# Altium PCB Fastino-DIOT.PCBDOC (part 22 of 22)
Units mm, origin at the board's own origin, x right, y up, seen from the top; angles counter-clockwise.
Board outline 222.63 x 100.1 mm, 8 copper layers (L1, L2, L3, P4, L5, L6, P7, L8), stack 1.563 mm thick; 1030 components, 787 nets, 3312 pads, 2498 vias.
Unrouted connection lines stored in the file: 424.
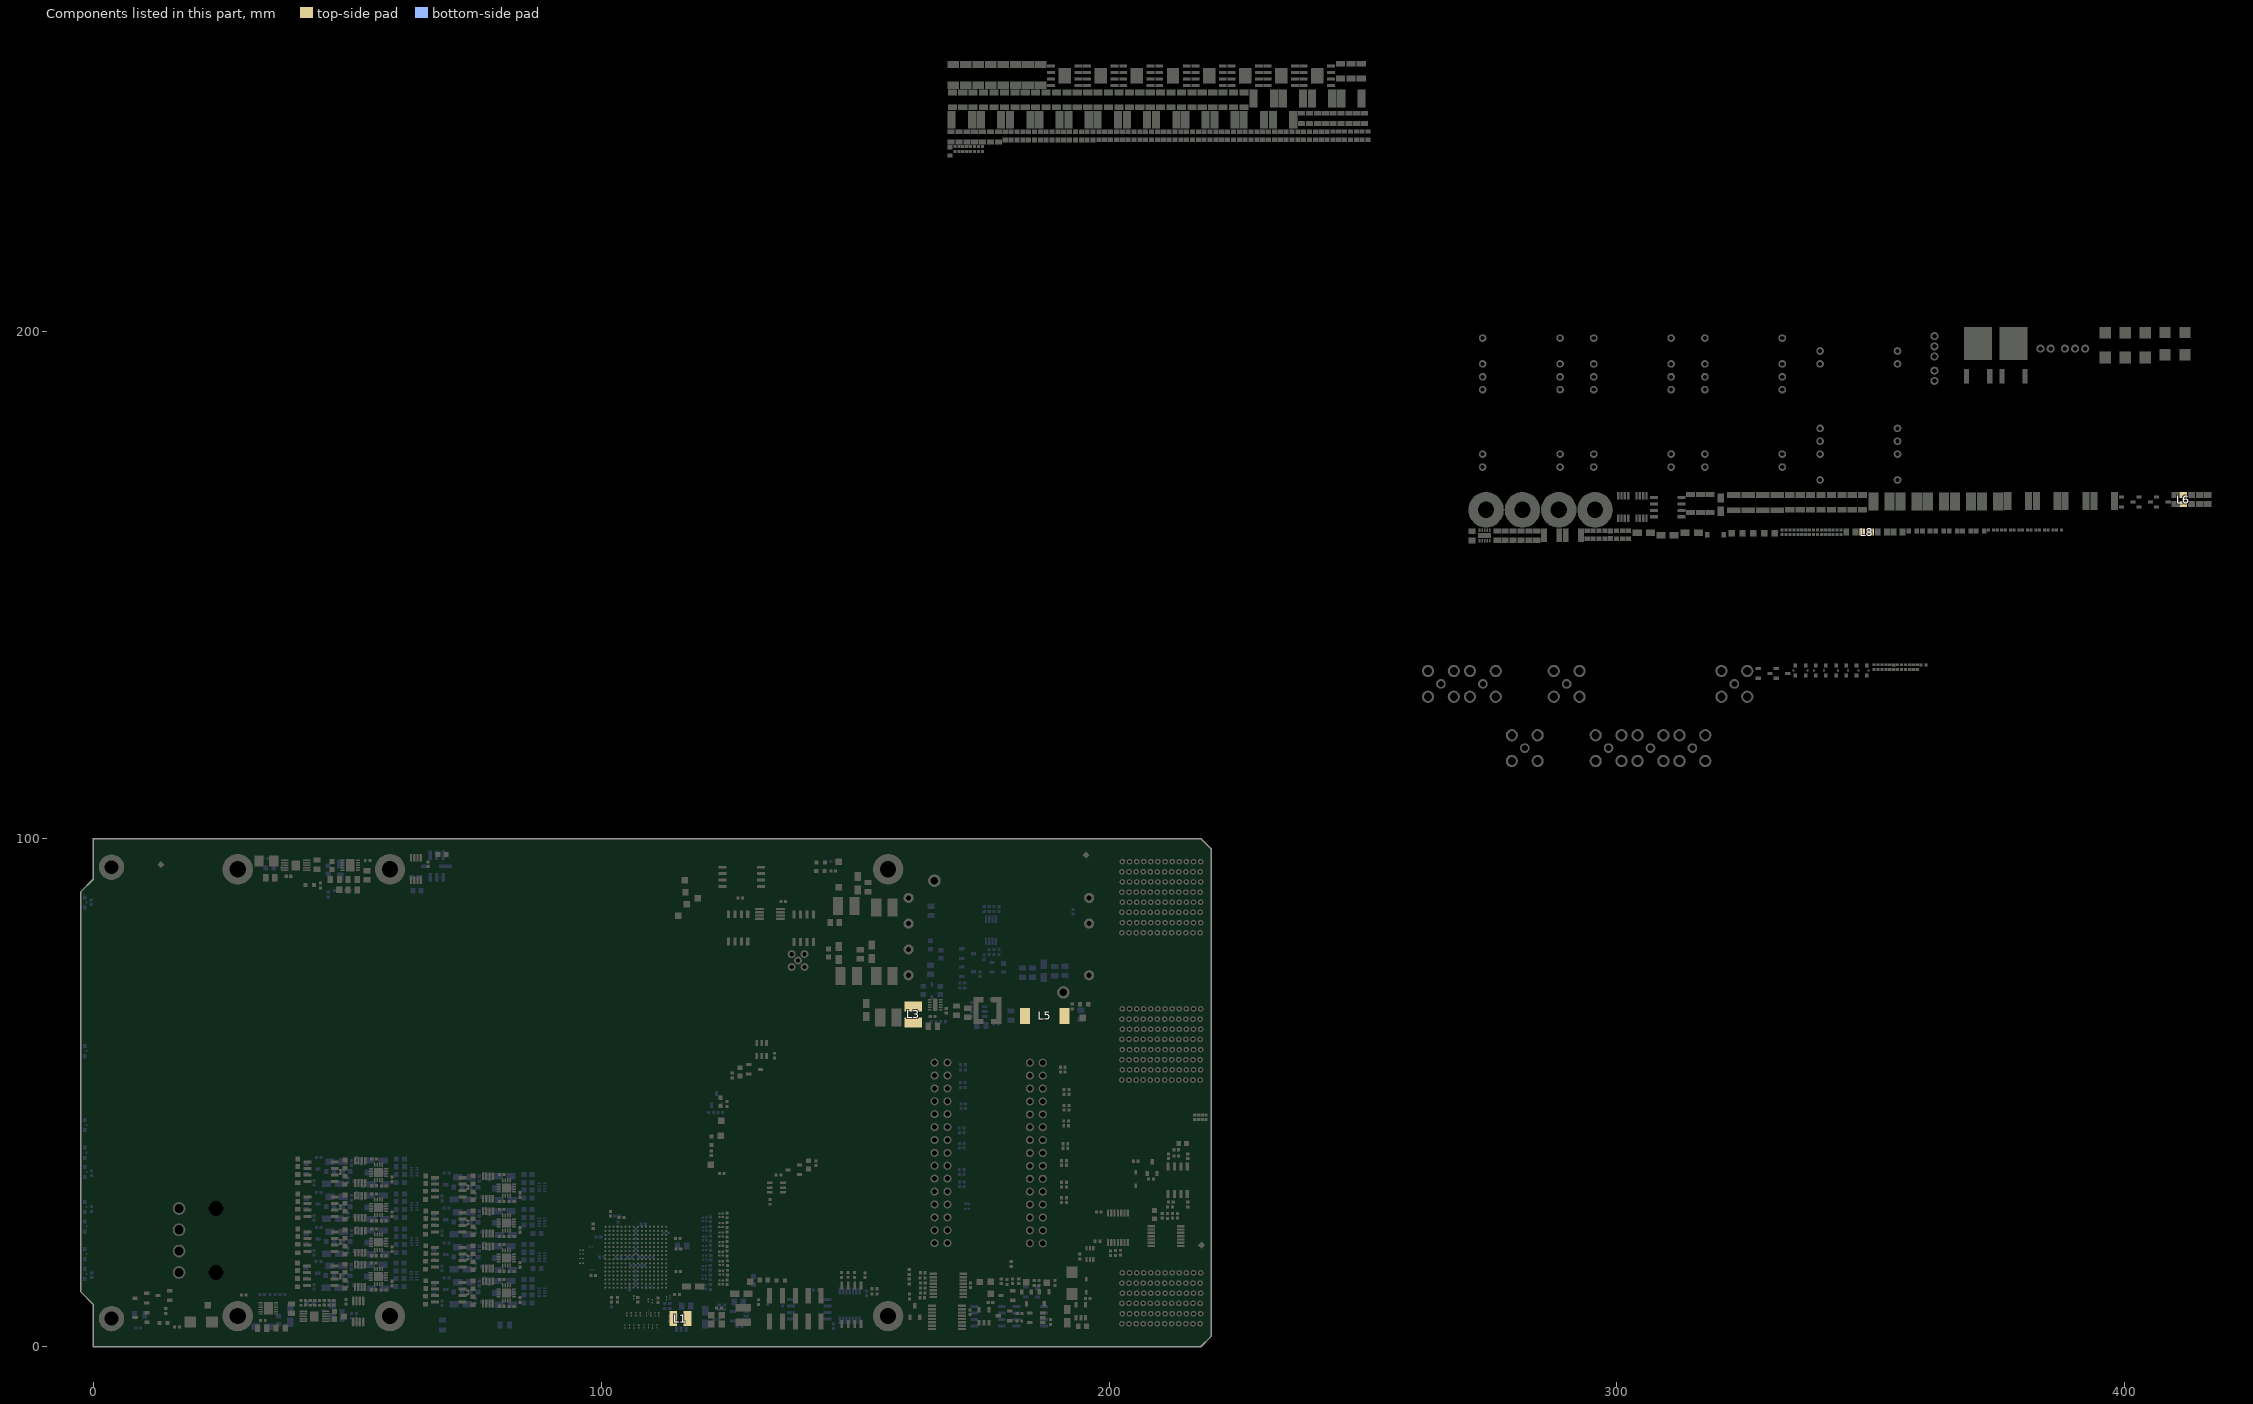
[diagram p28: the components of this part, seen from the top]

## Via types
v1: diameter 0.4, hole 0.2, L1 to L8, tented both sides, 1919 vias
v2: diameter 0.5, hole 0.2, L1 to L8, tented both sides, 270 vias
v3: diameter 0.4, hole 0.2, L1 to L8, 170 vias
v4: diameter 0.7, hole 0.4, L1 to L8, tented both sides, 110 vias
v5: diameter 0.7, hole 0.4, L1 to L8, 29 vias

## Nets (pads, with @x,y where several pads share a name; then routed paths per layer and width w, separated by ;. In a path a pad name is that pad's centre, name@x,y a point inside that pad or via, vN(x,y) a via of type N, cw(c..) or ccw(c..) an arc to the next point about the centre after c; other vN are vias at no path point) (continued)
copper on no net: (continued)
  L8 w0.381: 71.585,95.682 72.019,96.116 72.667,96.116 72.842,96.291 v1(72.847,96.291) ; 71.806,95.606 71.936,95.606 72.294,95.247 72.294,95.117 72.757,94.655 72.757,93.935 72.885,93.806 ; 91.123,94.336 91.222,94.236 91.222,93.847 91.364,93.706 v1(91.364,93.701) ; 100.127,96.025 101.006,96.025 101.08,96.099 101.08,96.438 101.416,96.775 106.143,96.775 106.893,96.025
  L8 w0.508: v1(52.426,10.109) 52.449,10.085 52.449,9.494 52.495,9.449 52.495,8.685 52.898,8.281 52.918,8.281 52.954,8.245 52.954,8.225
  other v1: 101.83,32.052 75.955,37.412 101.83,38.938 50.804,40.485 75.955,44.299 101.83,45.825 50.83,47.417 75.955,51.185 101.83,52.712 50.83,54.304 75.955,58.072 101.83,59.598 50.83,61.191 75.955,64.958 101.83,66.485 50.83,68.077 75.955,71.828 101.83,73.371 50.83,74.964 75.955,78.714 101.83,80.258 50.83,81.85 75.955,85.601 101.83,87.145 75.754,94.321
  other v3: 107.835,32.112 106.525,33.412 107.85,33.392 81.96,37.472 80.65,38.772 81.975,38.752 107.835,38.998 107.85,40.278 106.525,40.298 56.809,40.545 55.499,41.845 56.824,41.825 81.96,44.358 81.975,45.638 80.65,45.658 107.835,45.885 107.85,47.165 106.525,47.185 56.835,47.477 55.525,48.777 56.85,48.757 81.96,51.245 81.975,52.525 80.65,52.545 107.835,52.771 107.85,54.051 106.525,54.071 56.835,54.364 55.525,55.664 56.85,55.644 81.96,58.132 81.975,59.412 80.65,59.432 107.835,59.658 107.85,60.938 106.525,60.958 56.835,61.25 56.85,62.53 55.525,62.55 81.96,65.018 81.975,66.298 80.65,66.318 107.835,66.545 107.85,67.825 106.525,67.845 56.835,68.137 56.85,69.417 55.525,69.437 81.96,71.887 80.65,73.187 81.975,73.167 107.835,73.431 107.85,74.711 106.525,74.731 56.835,75.024 56.85,76.304 55.525,76.324 81.96,78.774 81.975,80.054 80.65,80.074 107.835,80.318 106.525,81.618 107.85,81.598 56.835,81.91 56.85,83.19 55.525,83.21 81.96,85.661 81.975,86.941 80.65,86.961 107.835,87.204 106.525,88.504 107.85,88.484 97.2,94.15 78.305,94.317 79.176,94.308 79.432,95.633 78.314,95.644 97.2,95.7

## Polygon pours and split planes (outlines as drawn)
GND on L8 "NONET_L-01_P-001" (solid, remove dead copper, pour order 148): 10.871,8.56 3.734,8.56 1.004,11.112 0.787,89.536 3.251,97.993 179.942,98.037 180.12,66.09 169.037,66.09 169.037,62.205 179.502,62.205 179.502,2.616 11.125,2.616
GND on L8 "NONET_L-01_P-001" (solid, pour order 134): 177.14,98.095 218.618,98.095 219.786,96.926 219.786,2.616 179.146,2.616 179.146,14.699 178.859,14.986 167.335,14.986 167.335,15.077 165.312,17.1 165.43,17.218 165.43,21.082 166.192,21.844 172.974,21.844 179.146,28.016 179.146,68.097 181.026,69.977 196.139,69.977 198.171,72.009 198.171,74.016 197.282,74.905 194.539,74.905 193.827,75.616 193.827,77.318 192.71,78.435 182.651,78.435 180.823,76.606 179.146,76.606 179.146,78.232 177.038,80.34 177.038,98.069
CHASSIS on L8 "esd1" (solid, remove dead copper, pour order 122): 0.25,7.798 7.375,7.798 7.375,2.55 40,2.55 40,1.05 0.25,1.05
P3V3_buck on L8 "NONET_L-01_P-001" (solid, remove dead copper, pour order 52): 169.866,65.727 173.616,65.727 174.866,64.477 174.866,62.477 170.116,62.477 169.366,63.227 169.366,65.227
GND on L8 "NONET_L-01_P-001" (solid, remove dead copper, pour order 68): 181.254,74.026 192.91,74.026 193.424,74.541 193.412,74.552 193.412,76.969 192.185,78.196 183.234,78.196 181.254,76.217
P12V0F on L8 "NONET_L-01_P-001" (solid, remove dead copper, pour order 70): 194.283,73.703 195.121,74.541 197.158,74.541 197.811,73.888 197.811,72.388 195.924,70.5 181.228,70.5 180.34,71.388 180.34,72.695 181.348,73.703
P1V2 on L8 "NONET_L-01_P-001" (solid, remove dead copper, pour order 120): 116.652,6.788 117.498,5.941 117.498,4.967 121.217,4.967 122,5.75 122,9.208 117.401,9.208 116.652,8.458
STRIP2 on L8 "esd1" (solid, remove dead copper, pour order 125): 82.933,1 100,1 100,2.269 45,2.269 45,1
STRIP3 on L8 "STRIP3_L08_P126" (solid, remove dead copper, pour order 126): 217.533,1 217.55,1 218.79,2.24 120,2.24 120,1
GND on L5 "NONET_L-01_P-001" (solid, pour order 146): 163.398,99.085 163.398,93.32 159.029,88.951 159.029,65.862 162.154,62.738 163.474,62.738 163.474,66.929 165.633,69.088 193.853,69.088 194,68.941 194,58 145.63,58 142.164,54.534 142.164,23.8 149.758,16.205 149.758,6.807 147.041,4.089 129.661,4.089 129.032,4.718 129.032,7.315 128.806,7.542 122.028,7.542 121.641,7.154 121.641,5.156 120.599,4.115 117.653,4.115 115.545,6.223 113.182,6.223 110.655,3.696 110.655,0.394 114.338,0.394 114.376,0.356 218.059,0.356 220.142,2.438 219.71,2.87 219.71,97.384 218.008,99.085
GND on L5 "NONET_L-01_P-001" (solid, remove dead copper, pour order 145): 155.143,99.073 155.143,82.245 154.788,81.89 153.619,81.89 153.264,81.534 153.264,74.625 151.333,72.695 142.926,72.695 126.416,89.205 109.753,89.205 108.331,90.627 79.4,90.627 73.863,85.09 72.441,86.512 46.05,86.512 44.679,87.884 23.52,87.884 21.692,89.713 21.692,92.685 21.336,93.04 19.99,93.04 19.126,93.904 19.126,100.076 19.177,100.127 19.075,100.228 0.127,100.228 0.127,92.1 -2.286,89.687 -2.286,10.973 0.051,8.636 0.051,0.864 0.61,0.305 100.127,0.305 100.813,0.991 100.686,1.118 100.686,22.606 101.625,23.546 101.651,23.52 112.674,23.52 112.674,21.387 116.221,17.84 118.558,17.84 121.006,15.392 121.564,15.392 121.564,7.214 142.062,7.214 144.247,9.398 144.247,12.852 132.436,24.663 132.436,48.362 127.635,53.162 127.635,60.681 130.048,63.094 157.632,63.094 158.521,63.983 158.064,64.44 158.064,90.052 163.753,95.741 163.652,95.842 163.652,99.022
P13V0 on L5 "NONET_L-01_P-001" (solid, remove dead copper, pour order 44): 22.132,94.5 23.661,94.5 24.363,93.798 24.363,92 25.363,91 30.907,91 33.1,93.193 128.306,93.193 139.749,81.75 153.137,81.75 153.137,74.794 151.342,73 143.541,73 127.032,89.51 65.43,89.51 63.257,87.336 45.98,87.336 45.209,88.109 24.319,88.109 22.132,90.295
P3V3_buck on L5 "NONET_L-01_P-001" (solid, remove dead copper, pour order 42): 142.25,6.75 144.75,9.25 144.75,13 133,24.75 133,48.5 128.25,53.25 128.25,60.5 130.25,62.5 163.75,62.5 163.75,66.5 166,68.75 193.5,68.75 193.5,58.25 145.25,58.25 141.75,54.75 141.75,23.75 149.5,16 149.5,7 146.75,4.25 129.5,4.25 129,4.75 129,6.25 129.5,6.75
P1V2 on L5 "tgr" (solid, remove dead copper, pour order 96): 117.126,20.652 121.31,16.467 121.31,5.407 120.235,4.332 117.743,4.332 115.598,6.477 114.655,6.477 112.893,8.239 112.893,10.119 111.608,11.405 111.608,11.989 110.947,12.649 110.134,12.649 107.315,9.83 103.354,9.83 102.823,9.298 102.753,9.367 101.838,9.367 100.962,10.244 100.962,12.4 102.605,14.043 102.605,19.395 103.862,20.652
N13V0 on L5 "NONET_L-01_P-001" (solid, remove dead copper, pour order 54): 20.25,93.315 21.229,93.315 21.769,93.855 128.421,93.855 140.025,82.25 154.75,82.25 154.75,99.06 22.837,99.06 19.719,95.943 19.719,93.762 19.802,93.762
GND on L1 "NONET_L-01_P-001" (solid, remove dead copper, shelved, pour order 143): 1.479,101.576 4.791,98.264 220.395,98.264 220.395,3.108 1.679,3.108
no net on L1 "NONET_L-01_P-001" (solid, remove dead copper, pour order 123): 68.529,7.036 70.333,7.036 71.806,5.563 81.331,5.563 82.067,4.826 82.067,3.734 81.28,2.946 68.783,2.946 68.529,3.2
no net on L1 "NONET_L-01_P-001" (solid, remove dead copper, pour order 121): 98.425,96.622 99.009,97.206 111.125,97.206 111.785,96.545 111.785,94.132 111.303,93.65 104.724,93.65 102.997,95.377 98.425,95.377
no net on L1 "NONET_L-01_P-001" (solid, remove dead copper, pour order 110): 65.354,92.329 66.065,91.618 70.663,91.618 71.12,92.075 77.064,92.075 78.054,93.066 78.054,96.622 77.267,97.409 65.964,97.409 65.354,96.799
P3V3A on L1 "NONET_L-01_P-001" (solid, remove dead copper, pour order 66): 129.25,72.5 129.25,68 128.5,67.25 128.5,65.25 129,64.75 133,64.75 134.5,66.25 134.5,71.75 133.5,72.75 129.5,72.75
P3V3 on L1 "tgr" (solid, remove dead copper, pour order 60): 130,55.5 132,55.5 132.25,55.75 132.25,60.25 133.75,61.75 133.75,64.25 133.5,64.5 129,64.5 128.25,63.75 128.25,57.25
P3V3_buck on L1 "NONET_L-01_P-001" (solid, remove dead copper, pour order 56): 170.134,63.153 170.134,65.653 170.384,65.903 173.384,65.903 174.134,65.153 174.134,63.153 173.884,62.903 170.384,62.903
P12V0F on L1 "NONET_L-01_P-001" (solid, remove dead copper, pour order 58): 180.67,69.666 186.392,75.388 196.567,75.388 197.811,74.143 197.811,71.507 195.692,69.388 186.058,69.388 184.887,68.216 184.887,62.848 184.288,62.25 181.666,62.25 180.67,63.246
P2V5 on L1 "NONET_L-01_P-001" (solid, remove dead copper, pour order 104): 124.993,6.331 129.727,6.331 130.404,7.008 130.404,9.363 130.262,9.505 127.936,9.505 127.711,9.73 127.711,11.19 127.296,11.606 125.081,11.606 124.298,10.823 124.298,7.026
P1V2LX on L1 "NONET_L-01_P-001" (solid, remove dead copper, pour order 102): 112.636,6 115.5,6 115.5,3.318 113.014,3.318 112.636,3.696
CHASSIS on L1 "esd1" (solid, remove dead copper, pour order 124): 0.25,6.775 7.375,6.775 7.375,2.25 40,2.25 40,0.75 0.25,0.75
P13V0 on L1 "NONET_L-01_P-001" (solid, remove dead copper, pour order 142): 143.5,77.5 143.5,71.5 144.5,70.5 148.25,70.5 149,71.25 149,77 148.25,77.75 143.75,77.75
N13V0 on L1 "NONET_L-01_P-001" (solid, remove dead copper, pour order 140): 144.75,89 144.75,82.75 145.75,81.75 151.25,81.75 152,82.5 152,84.75 151.5,85.25 149,85.25 148.5,85.75 148.5,89.25 148.25,89.5 145.25,89.5
P12V0_CPCIS on L1 "NONET_L-01_P-001" (solid, remove dead copper, pour order 138): 215.5,45 219.75,45 219.75,38 219.25,37.5 217.5,37.5 216.25,38.75 216.25,42.5 215.5,43.25
P12V0 on L1 "NONET_L-01_P-001" (solid, remove dead copper, pour order 137): 215.5,45.25 219.75,45.25 219.75,47.5 219.25,48 216,48 215.5,47.5
STRIP2 on L1 "esd1" (solid, remove dead copper, pour order 133): 100,0.5 100,2.135 45,2.135 45,0.5
STRIP3 on L1 "STRIP3_L01_P132" (solid, remove dead copper, pour order 132): 217.05,0.5 218.79,2.24 120,2.24 120,0.5
P1V2 on L1 "NONET_L-01_P-001" (solid, remove dead copper, pour order 100): 116.071,7.436 116.071,3.572 118.125,3.572 118.696,4.143 118.696,6.918 118.114,7.5 116.162,7.5
P3V3A on L3 "NONET_L-01_P-001" (solid, remove dead copper, pour order 141): 0.5,1.25 17.5,1.25 17.5,97.5 131,97.5 131.25,97.25 131.25,67.25 134.25,67.25 134.75,67.75 134.75,99.75 1,99.75 0.25,99 0.25,91.75 -2.25,89.25 -2.25,11 0.5,8.25
P12V0 on L3 "NONET_L-01_P-001" (solid, remove dead copper, pour order 128): 145.339,58.25 194,58.25 195,59.25 195,65.75 195.75,66.5 197.25,66.5 206.25,57.5 219.5,57.5 220.039,56.961 220.039,46.539 192.25,18.75 145.339,18.75
GND on L3 "NONET_L-01_P-001" (solid, remove dead copper, pour order 94): 160.045,7.429 160.045,0.75 159.595,0.3 18,0.3 18,97.25 130.982,97.25 130.982,67.372 120.988,67.372 119.614,65.997 119.614,29.636 117.105,27.127 103.266,27.127 100.739,24.6 97.464,24.6 96.03,22.998 96.03,9.273 81.839,9.273 81.839,92.481 89.941,92.481 89.941,32.95 91.567,31.244 109.534,31.244 111.63,33.341 111.63,91.66 110.291,93 108.168,95.123 55.829,95.123 51.562,90.856 43.806,90.856 41.272,88.322 40.694,87.744 40.694,12.601 39.68,11.587 33.817,11.587 33.659,11.43 33.659,6.603 34.155,6.108 43.065,6.108 48.502,11.545 64.971,11.545 65.554,10.961 65.554,7.852 65.811,7.595 77.861,7.595 80.246,9.273 113.053,9.273 119.98,2.346 151.495,2.346 156.578,7.429
P5V4A on L3 "L3-P5V4A" (solid, remove dead copper, pour order 116): 101.778,31.615 108.919,31.615 111.165,33.86 111.165,90 111.165,94.844 56.394,94.844 50.952,89.522 50.952,11.779 65.765,11.779 65.765,89.066 65.75,89.066 65.75,91.25 66,91.5 76,91.5 76.25,91.25 76.25,7.823 79.979,7.823 79.979,9.157 81.293,10.471 81.293,90.793 81.293,93 101.5,93 101.778,92.722
P3V3_MP on L3 "NONET_L-01_P-001" (solid, remove dead copper, pour order 129): 145,18.212 192.303,18.212 213.995,39.903 217.678,36.22 217.678,15.75 201.5,15.75 200.5,14.75 200.5,3.75 198.75,2 160.25,2 160.25,7.75 156.25,7.75 151,2.5 145,2.5
GND on L3 "NONET_L-01_P-001" (solid, pour order 147): 135.357,99.619 135.357,67.589 134.823,67.056 134.62,67.259 121.336,67.259 120.218,66.142 120.218,65.329 120.396,65.151 132.563,65.151 132.69,65.024 132.69,59.385 133.223,58.852 194.767,58.852 194.767,66.751 195.402,66.751 197.434,66.751 205.994,58.191 219.278,58.191 219.939,58.852 219.939,96.749 216.967,99.72 135.458,99.72
P3V3 on L3 "NONET_L-01_P-001" (solid, remove dead copper, pour order 72): 144.75,58.75 132.489,58.75 132.489,65 121,65 120.137,64.137 120.137,29.059 117.799,26.721 103.53,26.721 101.194,24.384 98.049,24.384 96.356,22.691 96.356,13.553 100.105,9.804 113.386,9.804 120.69,2.5 144.75,2.5
P12V0A on L3 "NONET_L-01_P-001" (solid, remove dead copper, pour order 76): 44.755,90.856 44.755,10.363 47.142,10.363 50.566,14.097 50.566,90.856
N12V0A on L3 "NONET_L-01_P-001" (solid, remove dead copper, pour order 74): 33.992,11.303 40.931,11.303 41.148,11.52 41.148,87.836 41.185,87.873 44.501,87.873 44.501,8.039 42.939,6.477 33.992,6.477
P12V0_CPCIS on L3 "NONET_L-01_P-001" (solid, remove dead copper, pour order 131): 201.25,14.5 218,14.5 218,36.75 214.484,40.266 219.75,45.531 219.75,3.25 217.75,1.25 202.5,1.25 201.25,2.5
N12V0A on L3 "NONET_L-01_P-001" (solid, remove dead copper, pour order 86): 90.4,92.75 90.4,32.941 91.721,31.62 95.196,31.62 95.529,31.954 95.529,91.313 94.092,92.75
N12V0A on L3 "NONET_L-01_P-001" (solid, remove dead copper, pour order 80): 66,91.25 69.621,91.25 69.621,7.899 66,7.899
P12V0A on L3 "NONET_L-01_P-001" (solid, remove dead copper, pour order 82): 69.85,91.25 69.85,8.636 70.587,7.899 75.565,7.899 76.01,8.344 76.01,91.25
P12V0A on L3 "NONET_L-01_P-001" (solid, remove dead copper, pour order 88): 94.92,92.236 95.707,91.478 95.707,34.001 97.958,31.75 101.321,31.75 101.321,92.289 100.86,92.75 94.92,92.75
GND on L6 "NONET_L-01_P-001" (solid, remove dead copper, pour order 98): 0.05,100.05 220.039,100.05 220.039,2 218.039,0 -0.25,0
P2V5 on L6 "NONET_L-01_P-001" (solid, remove dead copper, pour order 62): 102.8,13.6 102.781,13.619 102.781,16.781 105.2,19.2 107.579,19.2 108.352,19.973 109.952,19.973 109.952,19.981 112.123,22.152 116.887,22.152 120.294,18.745 120.294,13.29 122.027,11.557 128.627,11.557 129.787,10.398 129.787,8.331 128.558,7.103 121.643,7.103 114.575,14.171 104.971,14.171 104.4,13.6
GND on L2 "NONET_L-01_P-001" (solid, remove dead copper, pour order 127): 0.25,98.75 41.75,98.75 42,98.5 42,94 45.25,94 46.192,94.942 85.541,94.942 86.599,96 149.5,96 150.5,95 150.5,69 150.5,64.25 154.75,64.25 154.75,98.25 219.5,98.25 219.75,98 219.75,90 198,90 194.627,62.5 167,62.5 164.25,59.75 131.75,59.75 123.451,51.451 123.451,28.201 120.76,25.51 117.922,25.51 112.806,20.395 112.806,13.694 116.25,10.25 127.25,10.25 128,11 160.25,11 160.25,2.25 0.25,2.25 0.25,8.5 -2.25,11 -2.25,89 0.25,91.5 0.25,92.5
GND on L2 "NONET_L-01_P-001" (solid, remove dead copper, pour order 40): 220.039,89.8 198.2,89.8 194.939,61.468 167.773,61.523 165.559,59.309 132.009,59.309 123.749,51.049 123.749,28.221 120.75,25.222 118.581,25.222 113.059,19.701 113.059,13.712 116.277,10.495 127.081,10.495 127.787,11.201 160.7,11.201 160.7,-0.136 218.039,0 220.039,2
P6V0A on L2 "NONET_L-01_P-001" (solid, remove dead copper, pour order 118): 42.24,97.485 42.926,98.171 154.508,98.171 154.508,64.211 150.742,64.211 150.742,68.691 150.742,96.164 86.639,96.164 85.7,95.225 45.974,95.225 44.983,94.234 42.24,94.234
GND on P7 (split plane): 219.579,97.81 219.579,2.19 217.848,0.46 160.334,0.46 160.324,0.468 160.237,0.515 160.143,0.543 160.045,0.553 159.947,0.543 159.853,0.515 159.834,0.505 157,0.505 156.978,0.502 0.46,0.502 0.46,8.299 0.455,8.347 0.451,8.395 0.45,8.397 0.45,8.398 0.436,8.444 0.422,8.491 0.422,8.493 0.421,8.494 0.398,8.537 0.376,8.58 0.375,8.581 0.374,8.582 0.343,8.62 0.313,8.657 -2.029,11.03 -2.029,22.645 -2.029,89.32 0.311,91.66 0.374,91.737 0.421,91.826 0.45,91.921 0.46,92.021 0.46,99.54 217.848,99.54
GND on P4 (split plane): 219.579,97.81 219.579,2.19 217.848,0.46 92.814,0.46 92.81,0.46 92.809,0.46 75,0.46 74.999,0.46 74.996,0.46 0.46,0.46 0.46,8.299 0.455,8.347 0.451,8.395 0.45,8.397 0.45,8.398 0.436,8.444 0.422,8.491 0.422,8.493 0.421,8.494 0.398,8.537 0.376,8.58 0.375,8.581 0.374,8.582 0.343,8.62 0.313,8.657 -2.029,11.03 -2.029,22.645 -2.029,89.32 0.311,91.66 0.374,91.737 0.421,91.826 0.45,91.921 0.46,92.021 0.46,99.54 217.848,99.54

## Keep-outs
L1:
  lines w0.1: 1,91.923 2,91.923 2.423,91.5 5.389,91.5 6.581,92.692 6.581,92.761 ; 6.096,97.003 6.096,96.091 6.581,95.606 6.581,95 6.581,94
  lines w0.203: 110.316,2.623 158.954,2.623
  lines w0.254: 0.051,97.993 159.791,97.993
L8:
  lines w0.1: 1,8.103 2.35,8.103 2.538,8.29 4.975,8.29 6.413,6.852 ; 1,91.923 2,91.923 2.423,91.5 5.32,91.5 6.581,92.761 6.581,95.606 6.096,96.091 6.096,97.003
KeepOutLayer:
  circle w0.254: c10.42,12.9 r0.845
  circle w0.254: c10.42,28.9 r0.845
  circle w0.254: c10.42,32.9 r0.845
  circle w0.254: c10.42,48.9 r0.845
  circle w0.254: c10.42,52.9 r0.845
  circle w0.254: c10.42,68.9 r0.845
  circle w0.254: c10.42,72.9 r0.845
  circle w0.254: c10.42,88.9 r0.845
  lines w0.05: -1.25,12.081 ccw(c-1.8,12) -1.248,12.059 ; -1.25,32.081 ccw(c-1.8,32) -1.248,32.059 ; -1.25,52.081 ccw(c-1.8,52) -1.248,52.059 ; -1.25,72.081 ccw(c-1.8,72) -1.248,72.059 ; -0.25,89.881 ccw(c-0.8,89.8) -0.248,89.859
  lines w0.254: 218,0.25 217.776,0.026 ; 217.776,0.026 160.021,0.026 0,-0.051 0,8.32 -2.544,10.864 -2.544,89.456 0,92 0,99.55 0.45,100 159.568,100 217.75,100 220,97.75 220,2.25 217.776,0.026

## Other copper
L1:
  rectangle net GND: 126.898,5.766 127.787,6.121
  rectangle net GND: 196.266,10.82 196.952,11.252
  rectangle net GND: 162.128,8.839 163.068,9.093
  rectangle net GND: 160.35,25.248 160.757,25.679
  rectangle net GND: 140.843,55.626 141.453,56.058
  rectangle net GND: 169.85,71.018 170.434,71.603
  rectangle net GND: 127.533,71.653 128.321,72.085
  rectangle net GND: 147.65,78.232 148.031,79.096
  rectangle net GND: 145.491,78.562 145.898,79.146
  rectangle net GND: 93.269,93.091 94.082,93.396
  rectangle: 19.253,65.43 19.507,66.04
  rectangle net GND: 19.075,62.713 19.507,63.475
  rectangle net GND: 14.021,38.379 14.503,38.989
  rectangle: 16.612,33.782 17.069,34.341
  rectangle net GND: 16.637,13.437 16.967,14.249
  rectangle net GND: 38.532,3.251 38.913,3.937
  rectangle net GND: 34.392,4.724 34.823,5.512
  rectangle net GND: 41.173,7.29 41.834,7.62
  rectangle net GND: 42.189,7.188 42.799,7.493
  rectangle net GND: 53.594,4.369 54.026,5.105
  rectangle net GND: 49.505,7.493 50.267,7.823
  rectangle net GND: 115.722,8.661 116.205,9.017
  rectangle net GND: 115.646,8.89 116.002,9.195
  rectangle net GND: 118.796,13.132 119.202,13.462
  rectangle net GND: 118.516,12.903 119.075,13.157
  rectangle net GND: 151.968,11.405 152.654,11.76
  rectangle net GND: 173.152,5.69 173.584,6.299
  rectangle net GND: 175.031,5.436 175.819,5.791
  rectangle net GND: 122.809,42.443 123.774,42.951
  rectangle net GND: 112.852,91.516 113.792,91.872
  rectangle: 91.973,95.961 92.354,96.495
  rectangle net P1V2LX: 113.563,3.581 114.452,4.14
  rectangle net GND: 115.341,4.445 116.002,6.35
  rectangle net GND: 123.876,8.534 124.282,8.956
  rectangle net GND: 65.29,96.769 65.697,97.079
  rectangle net GND: 65.303,97.079 66.054,97.46
  rectangle net GND: 62.205,93.643 62.648,94.158
  rectangle net GND: 33.696,93.275 34.188,93.65
  rectangle net GND: 14.138,82.582 14.636,83.056
  rectangle: 16.739,56.191 17.146,56.769
  rectangle net P3V3_buck: 133.031,59.665 134.391,61.313
  rectangle net P3V3_buck: 132.563,59.665 134.391,60.35
  rectangle net P12V0: 188.163,63.373 197.307,65.964
  rectangle net P3V3_buck: 172.384,64.653 173.634,65.153
  rectangle net P2V5LX: 129.25,4.25 130,5.5
  rectangle net GND: 87.05,6.4 88.05,29.375
  rectangle net GND: 110.45,28.95 111.375,40.3
  rectangle net GND: 87.125,28.5 111.375,29.35
  rectangle net GND: 39.319,92.583 39.903,92.939
  rectangle net GND: 124.663,4.826 125.07,5.588
  rectangle net GND: 106.655,16.637 106.985,16.993
  pour cut-out: 193.253,95.741 163.753,95.741 158.003,89.991 158.003,65.241 161.753,61.491 171.926,61.491 191.253,61.491 191.253,62.491 171.293,62.491 162.253,62.491 159.253,65.491 159.253,89.241 164.503,94.386 170.753,94.386 192.003,94.386 192.003,87.991 193.253,87.991
  region net P6V0_LX: 164.388,66.982 164.388,66.682 163.213,66.007 162.963,66.007 162.963,68.007 163.212,68.001 163.713,67.307
  pour cut-out: 159.513,64.807 159.513,66.007 163.213,66.007 163.213,64.807
  pour cut-out: 175.306,69.015 176.809,69.015 176.809,68.805 176.809,63.315 175.306,63.315
  pour cut-out: 37.821,86.893 38.075,86.639 62.484,86.639 62.484,87.732 65.075,90.322 65.278,90.119 89.408,90.119 89.408,90.78 90.881,92.253 109.652,92.253 110.49,91.415 110.49,52.629 120.294,42.824 120.193,42.723 120.193,25.654 102.946,25.654 98.704,21.412 98.704,10.693 109.804,10.693 112.293,8.204 111.328,7.239 111.328,2.55 93.866,2.55 89.408,6.858 57.506,6.858 54.813,9.55 39.853,9.55 37.719,11.684
L3:
  rectangle net GND: 98.875,94.925 99.25,95.325
  rectangle net GND: 97.625,94.925 98.025,95.3
  rectangle net GND: 115.418,5.537 115.799,6.223
  pour cut-out: 193.25,95.75 163.75,95.75 158,90 158,65.25 161.75,61.5 171.923,61.5 191.25,61.5 191.25,62.5 171.29,62.5 162.25,62.5 159.25,65.5 159.25,89.25 164.5,94.395 170.75,94.395 192,94.395 192,88 193.25,88
L2:
  rectangle net GND: 49.454,94.488 51.613,94.945
  rectangle net GND: 49.454,93.624 51.537,94.031
  rectangle: 80.315,37.313 82.296,37.592
  rectangle: 79.172,36.855 79.832,37.236
  rectangle net GND: 196.037,50.775 196.418,51.105
  rectangle net P5V4A: 61.112,90.125 62.765,91.141
  rectangle net P5V4A: 64.575,92.945 65.225,93.9
  rectangle net GND: 49.733,95.809 50.114,96.52
  rectangle net GND: 46.695,93.116 47.172,93.533
  rectangle net GND: 49.519,7.466 49.809,7.874
  region net GND: 49.3,7.25 49.3,6.96 49.708,6.96 49.708,7.25
  region net GND: 61.987,4.802 61.697,4.802 61.697,4.394 61.987,4.394
  region net GND: 62.333,4.205 62.333,4.496 61.925,4.496 61.925,4.205
  region net NetC127_1: 65.965,3.875 65.965,4.166 65.557,4.166 65.557,3.875
  region net GND: 119.229,3.57 119.229,3.861 118.821,3.861 118.821,3.57
  rectangle net GND: 118.632,3.326 118.923,3.734
  region net GND: 115.924,8.622 115.924,8.331 116.332,8.331 116.332,8.622
  region net GND: 116.064,8.866 115.773,8.866 115.773,8.458 116.064,8.458
  region net GND: 98.563,94.591 98.273,94.591 98.273,94.183 98.563,94.183
  region: 97.41,94.172 97.41,94.463 97.003,94.463 97.003,94.172
  rectangle: 84.114,93.953 84.404,94.361
  region net GND: 115.84,4.721 115.383,4.721 115.383,4.165 115.84,4.165
  rectangle net GND: 120.355,3.968 120.811,4.258
  region net GND: 107.097,16.536 107.097,16.993 106.807,16.993 106.807,16.536
  region net GND: 107.063,17.381 107.063,17.838 106.774,17.838 106.774,17.381
  rectangle net GND: 44.759,95.566 45.215,95.856
  region net GND: 51.441,94.026 50.984,94.026 50.984,93.736 51.441,93.736
  region net GND: 50.751,94.049 50.294,94.049 50.294,93.759 50.751,93.759
  region net GND: 50.144,94.049 49.687,94.049 49.687,93.759 50.144,93.759
  region net GND: 51.523,96.093 51.066,96.093 51.066,95.803 51.523,95.803
  region net GND: 50.785,96.063 50.328,96.063 50.328,95.773 50.785,95.773
  rectangle: 78.305,94.317 78.628,94.622
  rectangle: 78.081,95.331 79.993,95.672
  pour cut-out: 193.253,95.741 163.753,95.741 158.003,89.991 158.003,65.241 161.753,61.491 171.926,61.491 191.253,61.491 191.253,62.491 171.293,62.491 162.253,62.491 159.253,65.491 159.253,89.241 164.503,94.386 170.753,94.386 192.003,94.386 192.003,87.991 193.253,87.991
L6:
  rectangle: 75.616,37.16 76.225,37.617
  rectangle: 81.839,38.303 82.271,39.167
  rectangle: 80.01,38.964 80.391,39.827
  pour cut-out: 193.25,95.75 163.75,95.75 158,90 158,65.25 161.75,61.5 171.923,61.5 191.25,61.5 191.25,62.5 171.29,62.5 162.25,62.5 159.25,65.5 159.25,89.25 164.5,94.395 170.75,94.395 192,94.395 192,88 193.25,88
  pour cut-out: 72.009,8.738 72.517,53.391 75.438,53.391 75.438,8.56 83.845,8.56 84.074,8.788 84.023,8.839 84.023,89.586 93.37,89.586 94.437,88.519 94.437,29.54 96.698,29.54 97.917,30.759 97.917,83.236 98.679,83.236 98.679,80.01 99.771,80.01 101.435,78.346 101.435,30.975 102.667,29.743 109.652,29.743 110.122,30.213 110.122,35.75 109.728,36.144 109.728,37.109 109.55,91.161 119.253,91.161 119.253,25.73 117.678,24.155 98.679,24.155 98.679,11.506 100.33,9.855 111.912,9.855 111.912,1.041 110.439,1.041 59.639,1.041 59.639,2.184 59.08,3.708 59.08,78.181 68.301,68.961 68.453,7.442 70.714,7.442
L5:
  rectangle: 80.366,38.329 80.772,39.141
  rectangle net P3V3_buck: 130.404,4.724 131.089,5.613
  pour cut-out: 193.253,95.741 163.753,95.741 158.003,89.991 158.003,65.241 161.753,61.491 171.926,61.491 191.253,61.491 191.253,62.491 171.293,62.491 162.253,62.491 159.253,65.491 159.253,89.241 164.503,94.386 170.753,94.386 192.003,94.386 192.003,87.991 193.253,87.991
  pour cut-out: 59.004,2.819 57.353,2.819 55.728,4.445 55.728,7.899 55.27,7.899 54.839,7.468 54.839,0.787 55.118,0.508 59.106,0.508 110.541,0.508 110.769,0.279 112.497,2.007 112.497,8.153 102.083,8.153 99.695,10.541 99.695,23.546 116.002,23.546 116.332,23.216 120.117,27 120.117,79.375 115.773,83.718 110.185,83.718 110.135,31.801 109.347,31.013 105.766,31.013 105.766,67.081 105.588,69.139 104.902,69.723 104.902,30.048 102.54,30.048 101.727,30.861 101.244,71.603 101.232,71.59 101.219,72.822 101.092,72.949 99.707,72.949 99.82,57.175 97.765,57.175 97.765,28.4 96.085,28.4 94.361,30.124 94.361,82.906 84.887,82.906 84.811,82.982 84.099,82.271 84.099,8.687 75.387,8.687 75.387,44.018 74.041,45.364 74.041,49.149 71.907,51.283 71.907,9.16 70.815,7.544 68.275,7.544 68.275,81.89 68.402,82.017 65.278,85.141 65.278,85.623 59.36,85.623 59.004,85.268
L8:
  rectangle net P2V5LX: 128.75,4.5 130.25,5.5
  rectangle net GND: 115.5,5 116.25,7.5
  rectangle net GND: 113.5,4.25 116.25,5.25
  rectangle net P1V2LX: 113.5,3.5 114.75,4
  rectangle net GND: 90.45,28.925 111.2,29.575
  rectangle net GND: 37.109,3.327 37.617,3.785
  rectangle net GND: 42.418,4.485 44.783,7.689
  rectangle net N13V0: 33.452,6.172 35.484,8.865
  pour cut-out: 193.25,95.75 163.75,95.75 158,90 158,65.25 161.75,61.5 171.923,61.5 191.25,61.5 191.25,62.5 171.29,62.5 162.25,62.5 159.25,65.5 159.25,89.25 164.5,94.395 170.75,94.395 192,94.395 192,88 193.25,88
  pour cut-out: 38.354,11.074 38.354,82.855 42.189,86.69 66.04,86.69 66.04,88.494 67.818,90.272 91.338,90.272 91.338,90.907 92.227,91.796 92.431,91.592 117.932,91.592 117.932,28.651 113.817,24.536 100.609,24.536 99.619,23.546 99.619,11.608 108.89,11.608 112.192,8.306 111.989,8.103 111.989,2.5 94.874,2.5 90.5,6.875 65.202,7.112 62.687,9.627 38.735,9.627 38.583,9.779
P4 (plane layer: these items are gaps in the copper):
  lines w1.016: 191,62 162,62 158.75,65.25 158.75,89.5 164.25,95 192.75,95 192.75,88.5
P7 (plane layer: these items are gaps in the copper):
  lines w1: -0.05,0 156.998,0 157,0.002 159.997,0.002 160.045,0.05 ; 191,62 176.476,62 166.918,62 162,62 158.75,65.25 158.75,90 163.75,95 166.692,95 177.832,95 187.052,95 192.75,95
  lines w1.016: 192.75,88.5 192.75,95

## Silkscreen, mask and mechanical layers (free items; w line width, h text height)
Top Overlay:
  drawing of 1248 lines, arcs and shapes, not listed
  text "REF_P5V0d" at 105.384,96.75 h1
  text "SELECT ONE REF ONLY" at 121.107,96.266 h0.89
  text "P3V3MP" at 140.081,96.266 h1
  text "P5V4A" at 147.361,94.876 h1
  text "LDAC" at 114.91,93.091 h1
  text "EXT REF" at 132.664,92.812 h0.89
  text "P5V4A" at 140.5,91.75 h1
  text "REF_P5V0c" at 68.009,91.64 h1
  text "AUX REF" at 132.613,91.465 h0.89
  text "CLRn" at 118.161,90.475 h1
  text "CH31" at 108.574,90.29 h1.02
  text "INT REF" at 132.639,90.068 h0.89
  text "GND" at 141,90 h1
  text "CH30" at 82.57,88.93 h1.02
  text "SDI" at 120.117,87.554 h1
  text "P12V0A" at 45.466,86.792 h1
  text "CH27" at 57.487,85.083 h1.02
  text "CLK" at 117.856,84.912 h1
  text "CH29" at 108.574,83.402 h1.02
  text "CH28" at 82.655,81.961 h1.02
  text "NSS" at 114.91,81.915 h1
  text "CH24" at 57.487,78.196 h1.02
  text "CH26" at 108.445,76.604 h1.02
  text "CH25" at 82.655,75.077 h1.02
  text "EXT REF IN" at 134.874,72.542 h0.89
  text "CH21" at 57.487,71.327 h1.02
  text "CH23" at 108.574,69.717 h1.02
  text "CH22" at 82.655,68.281 h1.02
  text "P12V0" at 192.285,67.889 h1
  text "CH18" at 57.487,64.371 h1.02
  text "CH20" at 108.574,62.832 h1.02
  text "CH19" at 82.655,61.259 h1.02
  text "CH15" at 57.445,57.491 h1.02
  text "DAC OUT 16-23" at 30.912,56.058 h2.03 r90
  text "DAC OUT 24-31" at 29.083,56.032 h2.03 r90
  text "CH17" at 108.445,55.856 h1.02
  text "CH16" at 82.655,54.419 h1.02
  text "EEM 1" at 173.152,53.823 h1.52 r90
  text "EEM 0" at 180.162,53.238 h1.52 r90
  text "HVAMP" at 150.342,53.009 h1.52 r90
  text "WUT ISE & CTI & / Uni. of Oxf. 2024" at 119.431,52.527 h1.02 r90
  text "CH12" at 57.419,50.704 h1.02
  text "CH14" at 108.445,48.931 h1.02
  text "CH13" at 82.655,47.512 h1.02
  text "P1V2" at 125.4,47.2 h1
  text "Fastino-DIOT v1.3" at 115.6,46.4 h1.9 r90
  text "CH9" at 57.487,43.717 h1.02
  text "https://github.com/sinara-hw/Fastino/" at 121.331,43.512 h2 r90
  text "P1V2" at 124.527,43.495 h1
  text "CH11" at 108.574,42.261 h1.02
  text "CH10" at 82.57,40.659 h1.02
  text "GND" at 124.877,39.633 h1
  text "CH6" at 57.487,36.795 h1.02
  text "P3V3" at 121.24,36.772 h1 r90
  text "CH8" at 108.674,35.206 h1.02
  text "CH7" at 82.655,33.785 h1.02
  text "CH4" at 57.487,29.856 h1.02
  text "CH5" at 82.655,26.968 h1.02
  text "1_0" at 120.091,24.867 h1
  text "1_1" at 120.091,23.139 h1
  text "CH2" at 57.487,22.998 h1.02
  text "DAC OUT 8-15" at 30.81,22.225 h2.03 r90
  text "DAC OUT 0-7" at 29.134,22.174 h2.03 r90
  text "1_2" at 120.091,21.412 h1
  text "CH3" at 82.862,20.028 h1.02
  text "1_3" at 120.091,19.406 h1
  text "TP3 P3V3MP" at 172.846,18.39 h2 r90
  text "TP2 I2C0SCL" at 174.546,18.39 h2 r90
  text "TP1 I2C0SDA" at 176.245,18.39 h2 r90
  text "TP6 I2C1SDA" at 177.945,18.39 h2 r90
  text "TP12 I2C0SCL" at 179.644,18.39 h2 r90
  text "1_4" at 120.091,17.653 h1
  text "FPGA CFG Bank select" at 141.199,16.485 h2
  text "CH0" at 60.223,16.053 h1.02
  text "1_5" at 120.091,15.508 h1
  text "& user switches" at 145.288,15.083 h2
  text "1_6" at 120.091,13.817 h1
  text "P2V5" at 129.413,13.818 h1
  text "CH1" at 82.862,13.195 h1.02
  text "1_7" at 120.091,11.983 h1
  text "SPI PROG" at 138.857,11.643 h1
  text "N12V0A" at 15.519,6.706 h0.9
  text "REF_P5V0b" at 81.534,2.896 h1
  text "REF_P5V0" at 40.818,2.692 h0.8
Bottom Overlay:
  drawing of 1237 lines, arcs and shapes, not listed
  text "WUT ISE & CTI & / Uni. of Oxf. 2024" at 30.45,76.025 h1.02 r90
  text "Fastino-DIOT v1.3" at 16.389,62.09 h2.03 r90
Top Solder:
  rectangle: 0.609,0.565 219.405,2.362
Bottom Solder:
  rectangle: 0.609,0.565 219.405,2.362
Mechanical1:
  drawing of 552 lines, arcs and shapes, not listed
  text "Layer" at 287.246,362.89 h1.52
  text "Name" at 297.657,362.89 h1.52
  text "Material" at 321.273,362.89 h1.52
  text "Thickness" at 343.111,362.89 h1.52
  text "Constant" at 359.617,362.89 h1.52
  text "Gerber" at 374.091,362.89 h1.52
  text "Board Layer Stack" at 386.026,362.89 h1.52
  text "Top Overlay" at 297.657,359.842 h1.52
  text "GTO" at 374.091,359.842 h1.52
  text "Top Solder" at 297.657,356.794 h1.52
  text "Solder Resist" at 321.273,356.794 h1.52
  text "0.034mm" at 343.111,356.794 h1.52
  text "3.5" at 359.617,356.794 h1.52
  text "GTS" at 374.091,356.794 h1.52
  text "1" at 287.246,353.746 h1.52
  text "L1" at 297.657,353.746 h1.52
  text "CF-004" at 321.273,353.746 h1.52
  text "0.035mm" at 343.111,353.746 h1.52
  text "GTL" at 374.091,353.746 h1.52
  text "Dielectric1" at 297.657,350.698 h1.52
  text "FR4" at 321.273,350.698 h1.52
  text "0.180mm" at 343.111,350.698 h1.52
  text "4.2" at 359.617,350.698 h1.52
  text "2" at 287.246,347.65 h1.52
  text "L2" at 297.657,347.65 h1.52
  text "CF-003" at 321.273,347.65 h1.52
  text "0.018mm" at 343.111,347.65 h1.52
  text "G1" at 374.091,347.65 h1.52
  text "Dielectric 9" at 297.657,344.602 h1.52
  text "FR4" at 321.273,344.602 h1.52
  text "0.102mm" at 343.111,344.602 h1.52
  text "4.5" at 359.617,344.602 h1.52
  text "3" at 287.246,341.554 h1.52
  text "L3" at 297.657,341.554 h1.52
  text "CF-003" at 321.273,341.554 h1.52
  text "0.018mm" at 343.111,341.554 h1.52
  text "G2" at 374.091,341.554 h1.52
  text "Dielectric 1" at 297.657,338.506 h1.52
  text "FR4" at 321.273,338.506 h1.52
  text "0.360mm" at 343.111,338.506 h1.52
  text "4.2" at 359.617,338.506 h1.52
  text "4" at 287.246,335.458 h1.52
  text "P4" at 297.657,335.458 h1.52
  text "CF-003" at 321.273,335.458 h1.52
  text "0.018mm" at 343.111,335.458 h1.52
  text "GP1" at 374.091,335.458 h1.52
  text "Dielectric 2" at 297.657,332.41 h1.52
  text "FR4" at 321.273,332.41 h1.52
  text "0.102mm" at 343.111,332.41 h1.52
  text "4.5" at 359.617,332.41 h1.52
  text "5" at 287.246,329.362 h1.52
  text "L5" at 297.657,329.362 h1.52
  text "CF-003" at 321.273,329.362 h1.52
  text "0.018mm" at 343.111,329.362 h1.52
  text "G3" at 374.091,329.362 h1.52
  text "Dielectric 8" at 297.657,326.314 h1.52
  text "FR4" at 321.273,326.314 h1.52
  text "0.360mm" at 343.111,326.314 h1.52
  text "4.2" at 359.617,326.314 h1.52
  text "6" at 287.246,323.266 h1.52
  text "L6" at 297.657,323.266 h1.52
  text "CF-003" at 321.273,323.266 h1.52
  text "0.018mm" at 343.111,323.266 h1.52
  text "G4" at 374.091,323.266 h1.52
  text "Dielectric4" at 297.657,320.218 h1.52
  text "FR4" at 321.273,320.218 h1.52
  text "0.102mm" at 343.111,320.218 h1.52
  text "4.2" at 359.617,320.218 h1.52
  text "7" at 287.246,317.17 h1.52
  text "P7" at 297.657,317.17 h1.52
  text "CF-003" at 321.273,317.17 h1.52
  text "0.018mm" at 343.111,317.17 h1.52
  text "GP2" at 374.091,317.17 h1.52
  text "Dielectric3" at 297.657,314.122 h1.52
  text "FR4" at 321.273,314.122 h1.52
  text "0.180mm" at 343.111,314.122 h1.52
  text "4.1" at 359.617,314.122 h1.52
  text "8" at 287.246,311.074 h1.52
  text "L8" at 297.657,311.074 h1.52
  text "0.036mm" at 343.111,311.074 h1.52
  text "GBL" at 374.091,311.074 h1.52
  text "Bottom Solder" at 297.657,308.026 h1.52
  text "Solder Resist" at 321.273,308.026 h1.52
  text "0.034mm" at 343.111,308.026 h1.52
  text "3.5" at 359.617,308.026 h1.52
  text "GBS" at 374.091,308.026 h1.52
  text "Bottom Overlay" at 297.657,304.978 h1.52
  text "GBO" at 374.091,304.978 h1.52
  text "Total board thickness:" at 287.246,301.93 h1.52
  text "1.631mm" at 343.111,301.93 h1.52
Mechanical4:
  lines w0.508: -2.544,-15.25 -2.544,114.162
  lines w1: 41.263,5.031 41.263,95.031 116.263,95.031 116.263,5.031 41.263,5.031 ; 122.263,55.031 157.263,55.031 157.263,95.031 122.263,95.031 122.263,55.031
Mechanical8:
  lines w0.2: 91.741,18.259 101.737,18.259 ; 207.359,90.959 217.101,90.959 ; 207.396,77.663 207.396,90.959 207.396,102.69
DrillDrawing:
  lines w0.254: 23.348,14.466 24.77,14.466 ; 23.348,55.466 24.77,55.466 ; 24.77,13.391 24.77,14.466 ; 24.77,15.591 24.77,14.466 ; 24.77,54.391 24.77,55.466 ; 24.77,56.591 24.77,55.466 ; 26.125,14.466 24.77,14.466 ; 26.125,55.466 24.77,55.466 ; 26.978,6 28.4,6 ; 26.978,94 28.4,94 ; 28.4,4.925 28.4,6 ; 28.4,7.125 28.4,6 ; 28.4,92.925 28.4,94 ; 28.4,95.125 28.4,94 ; 29.755,6 28.4,6 ; 29.755,94 28.4,94 ; 35.11,14.466 36.532,14.466 ; 35.11,55.466 36.532,55.466 ; 36.532,13.391 36.532,14.466 ; 36.532,15.591 36.532,14.466 ; 36.532,54.391 36.532,55.466 ; 36.532,56.591 36.532,55.466 ; 37.887,14.466 36.532,14.466 ; 37.887,55.466 36.532,55.466 ; 56.978,6 58.4,6 ; 56.978,94 58.4,94 ; 58.4,4.925 58.4,6 ; 58.4,7.125 58.4,6 ; 58.4,92.925 58.4,94 ; 58.4,95.125 58.4,94 ; 59.755,6 58.4,6 ; 59.755,94 58.4,94 ; 153.308,55.855 154.73,55.855 ; 154.73,54.779 154.73,55.855 ; 154.73,56.979 154.73,55.855 ; 155.078,6 156.5,6 ; 155.078,94 156.5,94 ; 156.085,55.855 154.73,55.855 ; 156.5,4.925 156.5,6 ; 156.5,7.125 156.5,6 ; 156.5,92.925 156.5,94 ; 156.5,95.125 156.5,94 ; 157.855,6 156.5,6 ; 157.855,94 156.5,94

## Text inside footprints (layer, text, board x,y; h text height)
IC33: Top Overlay "17" at 321.46,189.199 h1.5 r180; Top Overlay "15" at 321.46,194.279 h1.5 r180; Top Overlay "13" at 321.46,199.359 h1.5 r180; Top Overlay "8" at 330.702,189.199 h1.5 r180; Top Overlay "10" at 330.702,194.279 h1.5 r180; Top Overlay "12" at 330.702,199.359 h1.5 r180; Top Overlay "16" at 321.333,191.739 h1.5 r180; Top Overlay "22" at 321.714,176.499 h1.5 r180; Top Overlay "23" at 321.714,173.959 h1.5 r180; Top Overlay "9" at 330.628,191.739 h1.5 r180; Top Overlay "3" at 330.628,176.499 h1.5 r180; Top Overlay "2" at 330.628,173.959 h1.5 r180; Mechanical14 "17" at 321.46,189.199 h1.5 r180; Mechanical14 "15" at 321.46,194.279 h1.5 r180; Mechanical14 "13" at 321.46,199.359 h1.5 r180; Mechanical14 "8" at 330.702,189.199 h1.5 r180; Mechanical14 "10" at 330.702,194.279 h1.5 r180; Mechanical14 "12" at 330.702,199.359 h1.5 r180; Mechanical14 "2" at 330.628,173.959 h1.5 r180; Mechanical14 "3" at 330.628,176.499 h1.5 r180; Mechanical14 "9" at 330.628,191.739 h1.5 r180; Mechanical14 "23" at 321.714,173.959 h1.5 r180; Mechanical14 "22" at 321.714,176.499 h1.5 r180; Mechanical14 "16" at 321.333,191.739 h1.5 r180
IC34: Top Overlay "17" at 351.17,180.079 h1.5; Top Overlay "15" at 351.17,174.999 h1.5; Top Overlay "13" at 351.17,169.919 h1.5; Top Overlay "8" at 341.928,180.079 h1.5; Top Overlay "10" at 341.928,174.999 h1.5; Top Overlay "12" at 341.928,169.919 h1.5; Top Overlay "16" at 351.297,177.539 h1.5; Top Overlay "22" at 350.916,192.779 h1.5; Top Overlay "23" at 350.916,195.319 h1.5; Top Overlay "9" at 342.003,177.539 h1.5; Top Overlay "3" at 342.003,192.779 h1.5; Top Overlay "2" at 342.003,195.319 h1.5; Mechanical14 "17" at 351.17,180.079 h1.5; Mechanical14 "15" at 351.17,174.999 h1.5; Mechanical14 "13" at 351.17,169.919 h1.5; Mechanical14 "8" at 341.928,180.079 h1.5; Mechanical14 "10" at 341.928,174.999 h1.5; Mechanical14 "12" at 341.928,169.919 h1.5; Mechanical14 "2" at 342.003,195.319 h1.5; Mechanical14 "3" at 342.003,192.779 h1.5; Mechanical14 "9" at 342.003,177.539 h1.5; Mechanical14 "23" at 350.916,195.319 h1.5; Mechanical14 "22" at 350.916,192.779 h1.5; Mechanical14 "16" at 351.297,177.539 h1.5
IC36: Top Overlay "2" at 286.876,173.959 h1.5 r180; Top Overlay "3" at 286.876,176.499 h1.5 r180; Top Overlay "9" at 286.876,191.739 h1.5 r180; Top Overlay "23" at 277.962,173.959 h1.5 r180; Top Overlay "22" at 277.962,176.499 h1.5 r180; Top Overlay "16" at 277.581,191.739 h1.5 r180; Top Overlay "12" at 286.951,199.359 h1.5 r180; Top Overlay "10" at 286.951,194.279 h1.5 r180; Top Overlay "8" at 286.951,189.199 h1.5 r180; Top Overlay "13" at 277.708,199.359 h1.5 r180; Top Overlay "15" at 277.708,194.279 h1.5 r180; Top Overlay "17" at 277.708,189.199 h1.5 r180; Mechanical14 "16" at 277.581,191.739 h1.5 r180; Mechanical14 "22" at 277.962,176.499 h1.5 r180; Mechanical14 "23" at 277.962,173.959 h1.5 r180; Mechanical14 "9" at 286.876,191.739 h1.5 r180; Mechanical14 "3" at 286.876,176.499 h1.5 r180; Mechanical14 "2" at 286.876,173.959 h1.5 r180; Mechanical14 "12" at 286.951,199.359 h1.5 r180; Mechanical14 "10" at 286.951,194.279 h1.5 r180; Mechanical14 "8" at 286.951,189.199 h1.5 r180; Mechanical14 "13" at 277.708,199.359 h1.5 r180; Mechanical14 "15" at 277.708,194.279 h1.5 r180; Mechanical14 "17" at 277.708,189.199 h1.5 r180
IC39: Top Overlay "2" at 308.752,173.959 h1.5 r180; Top Overlay "3" at 308.752,176.499 h1.5 r180; Top Overlay "9" at 308.752,191.739 h1.5 r180; Top Overlay "23" at 299.838,173.959 h1.5 r180; Top Overlay "22" at 299.838,176.499 h1.5 r180; Top Overlay "16" at 299.457,191.739 h1.5 r180; Top Overlay "12" at 308.826,199.359 h1.5 r180; Top Overlay "10" at 308.826,194.279 h1.5 r180; Top Overlay "8" at 308.826,189.199 h1.5 r180; Top Overlay "13" at 299.584,199.359 h1.5 r180; Top Overlay "15" at 299.584,194.279 h1.5 r180; Top Overlay "17" at 299.584,189.199 h1.5 r180; Mechanical14 "16" at 299.457,191.739 h1.5 r180; Mechanical14 "22" at 299.838,176.499 h1.5 r180; Mechanical14 "23" at 299.838,173.959 h1.5 r180; Mechanical14 "9" at 308.752,191.739 h1.5 r180; Mechanical14 "3" at 308.752,176.499 h1.5 r180; Mechanical14 "2" at 308.752,173.959 h1.5 r180; Mechanical14 "12" at 308.826,199.359 h1.5 r180; Mechanical14 "10" at 308.826,194.279 h1.5 r180; Mechanical14 "8" at 308.826,189.199 h1.5 r180; Mechanical14 "13" at 299.584,199.359 h1.5 r180; Mechanical14 "15" at 299.584,194.279 h1.5 r180; Mechanical14 "17" at 299.584,189.199 h1.5 r180
J1: Top Overlay "1" at 15.887,29.867 h1 r270; Mechanical14 "1" at 15.887,29.867 h1 r270
J2: Top Overlay "A" at 218.439,50.3 h1 r90; Top Overlay "B" at 217.039,50.3 h1 r90; Top Overlay "C" at 215.639,50.3 h1 r90; Top Overlay "D" at 214.239,50.3 h1 r90; Top Overlay "E" at 212.839,50.3 h1 r90; Top Overlay "F" at 211.439,50.3 h1 r90; Top Overlay "G" at 210.039,50.3 h1 r90; Top Overlay "H" at 208.639,50.3 h1 r90; Top Overlay "I" at 207.239,50.55 h1 r90; Top Overlay "J" at 205.839,50.3 h1 r90; Top Overlay "K" at 204.439,50.3 h1 r90; Top Overlay "L" at 203.039,50.3 h1 r90; Top Overlay "1" at 197.989,52.15 h1 r90; Top Overlay "2" at 197.989,54.15 h1 r90; Top Overlay "3" at 197.989,56.15 h1 r90; Top Overlay "4" at 197.989,58.15 h1 r90; Top Overlay "5" at 197.989,60.15 h1 r90; Top Overlay "6" at 197.989,62.15 h1 r90; Top Overlay "8" at 197.989,66.15 h1 r90; Top Overlay "7" at 197.989,64.15 h1 r90; DrillDrawing "PRESS-FIT TECHNOLOGY" at 218.689,69 h1 r180; DrillDrawing "Diam. 0.5mm +/-0.05" at 218.689,70.5 h1 r180; Mechanical14 "A" at 218.439,50.3 h1 r90; Mechanical14 "B" at 217.039,50.3 h1 r90; Mechanical14 "C" at 215.639,50.3 h1 r90; Mechanical14 "D" at 214.239,50.3 h1 r90; Mechanical14 "E" at 212.839,50.3 h1 r90; Mechanical14 "F" at 211.439,50.3 h1 r90; Mechanical14 "G" at 210.039,50.3 h1 r90; Mechanical14 "H" at 208.639,50.3 h1 r90; Mechanical14 "I" at 207.239,50.55 h1 r90; Mechanical14 "J" at 205.839,50.3 h1 r90; Mechanical14 "K" at 204.439,50.3 h1 r90; Mechanical14 "L" at 203.039,50.3 h1 r90; Mechanical14 "1" at 197.989,52.15 h1 r90; Mechanical14 "2" at 197.989,54.15 h1 r90; Mechanical14 "3" at 197.989,56.15 h1 r90; Mechanical14 "4" at 197.989,58.15 h1 r90; Mechanical14 "5" at 197.989,60.15 h1 r90; Mechanical14 "6" at 197.989,62.15 h1 r90; Mechanical14 "8" at 197.989,66.15 h1 r90; Mechanical14 "7" at 197.989,64.15 h1 r90; Mechanical8 "Top Surface of Mother Board" at 232.289,55.125 h0.5 r90; Mechanical8 "Edge of Daugher Card" at 220.789,56.275 h0.5 r90
J6: Top Overlay "30" at 188.354,20.976 h1.02 r270; Mechanical14 "30" at 188.354,20.976 h1.02 r270
J8: Top Overlay "6" at 197.989,14.15 h1 r90; Top Overlay "5" at 197.989,12.15 h1 r90; Top Overlay "4" at 197.989,10.15 h1 r90; Top Overlay "3" at 197.989,8.15 h1 r90; Top Overlay "2" at 197.989,6.15 h1 r90; Top Overlay "1" at 197.989,4.15 h1 r90; Top Overlay "L" at 203.039,2.3 h1 r90; Top Overlay "K" at 204.439,2.3 h1 r90; Top Overlay "J" at 205.839,2.3 h1 r90; Top Overlay "I" at 207.239,2.55 h1 r90; Top Overlay "H" at 208.639,2.3 h1 r90; Top Overlay "G" at 210.039,2.3 h1 r90; Top Overlay "F" at 211.439,2.3 h1 r90; Top Overlay "E" at 212.839,2.3 h1 r90; Top Overlay "D" at 214.239,2.3 h1 r90; Top Overlay "C" at 215.639,1.3 h1 r90; Top Overlay "B" at 217.039,1.3 h1 r90; Top Overlay "A" at 218.439,1.3 h1 r90; DrillDrawing "Diam. 0.5mm +/-0.05" at 218.689,18.5 h1 r180; DrillDrawing "PRESS-FIT TECHNOLOGY" at 218.689,17 h1 r180; Mechanical14 "6" at 197.989,14.15 h1 r90; Mechanical14 "5" at 197.989,12.15 h1 r90; Mechanical14 "4" at 199.75,6.5 h1 r90; Mechanical14 "3" at 197.989,8.15 h1 r90; Mechanical14 "2" at 197.989,6.15 h1 r90; Mechanical14 "1" at 197.989,4.15 h1 r90; Mechanical14 "L" at 203.039,2.3 h1 r90; Mechanical14 "K" at 204.439,2.3 h1 r90; Mechanical14 "J" at 205.839,2.3 h1 r90; Mechanical14 "I" at 207.239,2.55 h1 r90; Mechanical14 "H" at 208.639,2.3 h1 r90; Mechanical14 "G" at 210.039,2.3 h1 r90; Mechanical14 "F" at 211.439,2.3 h1 r90; Mechanical14 "E" at 212.839,2.3 h1 r90; Mechanical14 "D" at 214.239,2.3 h1 r90; Mechanical14 "C" at 215.639,1.3 h1 r90; Mechanical14 "B" at 217.039,1.3 h1 r90; Mechanical14 "A" at 218.439,1.3 h1 r90; Mechanical8 "Edge of Daugher Card" at 220.789,6.275 h0.5 r90; Mechanical8 "Top Surface of Mother Board" at 232.289,5.125 h0.5 r90
J9: Top Overlay "7" at 197.989,93.15 h1 r90; Top Overlay "8" at 197.989,95.15 h1 r90; Top Overlay "6" at 197.989,91.15 h1 r90; Top Overlay "5" at 197.989,89.15 h1 r90; Top Overlay "4" at 197.989,87.15 h1 r90; Top Overlay "3" at 197.989,85.15 h1 r90; Top Overlay "2" at 197.989,83.15 h1 r90; Top Overlay "1" at 197.989,81.15 h1 r90; Top Overlay "L" at 203.039,79.3 h1 r90; Top Overlay "K" at 204.439,79.3 h1 r90; Top Overlay "J" at 205.839,79.3 h1 r90; Top Overlay "I" at 207.239,79.55 h1 r90; Top Overlay "H" at 208.639,79.3 h1 r90; Top Overlay "G" at 210.039,79.3 h1 r90; Top Overlay "F" at 211.439,79.3 h1 r90; Top Overlay "E" at 212.839,79.3 h1 r90; Top Overlay "D" at 214.239,79.3 h1 r90; Top Overlay "C" at 215.639,78.3 h1 r90; Top Overlay "B" at 217.039,78.3 h1 r90; Top Overlay "A" at 218.439,78.3 h1 r90; DrillDrawing "Diam. 0.5mm +/-0.05" at 218.689,99.5 h1 r180; DrillDrawing "PRESS-FIT TECHNOLOGY" at 218.689,98 h1 r180; Mechanical14 "7" at 197.989,93.15 h1 r90; Mechanical14 "8" at 197.989,95.15 h1 r90; Mechanical14 "6" at 197.989,91.15 h1 r90; Mechanical14 "5" at 197.989,89.15 h1 r90; Mechanical14 "4" at 197.989,87.15 h1 r90; Mechanical14 "3" at 197.989,85.15 h1 r90; Mechanical14 "2" at 197.989,83.15 h1 r90; Mechanical14 "1" at 197.989,81.15 h1 r90; Mechanical14 "L" at 203.039,79.3 h1 r90; Mechanical14 "K" at 204.439,79.3 h1 r90; Mechanical14 "J" at 205.839,79.3 h1 r90; Mechanical14 "I" at 207.239,79.55 h1 r90; Mechanical14 "H" at 208.639,79.3 h1 r90; Mechanical14 "G" at 210.039,79.3 h1 r90; Mechanical14 "F" at 211.439,79.3 h1 r90; Mechanical14 "E" at 212.839,79.3 h1 r90; Mechanical14 "D" at 214.239,79.3 h1 r90; Mechanical14 "C" at 215.639,78.3 h1 r90; Mechanical14 "B" at 217.039,78.3 h1 r90; Mechanical14 "A" at 218.439,78.3 h1 r90; Mechanical8 "Edge of Daugher Card" at 220.789,85.275 h0.5 r90; Mechanical8 "Top Surface of Mother Board" at 232.289,84.125 h0.5 r90
J10: Top Overlay "30" at 169.584,21.001 h1.02 r270; Mechanical14 "30" at 169.584,21.001 h1.02 r270
SW1: Top Overlay "1" at 147.117,5.954 h1; Top Overlay "2" at 148.387,5.954 h1; Top Overlay "ON" at 146.736,9.51 h1; Top Overlay "3" at 149.657,5.954 h1; Top Overlay "4" at 150.927,5.954 h1; Mechanical14 "1" at 147.117,5.964 h1; Mechanical14 "2" at 148.387,5.964 h1; Mechanical14 "ON" at 146.736,9.52 h1; Mechanical14 "3" at 149.657,5.964 h1; Mechanical14 "4" at 150.927,5.964 h1
SW2: Top Overlay "1" at 129.946,90.348 h1 r90; Top Overlay "2" at 129.946,91.618 h1 r90; Top Overlay "ON" at 126.39,89.967 h1 r90; Top Overlay "3" at 129.946,92.888 h1 r90; Top Overlay "4" at 129.946,94.158 h1 r90; Mechanical14 "1" at 129.936,90.348 h1 r90; Mechanical14 "2" at 129.936,91.618 h1 r90; Mechanical14 "ON" at 126.38,89.967 h1 r90; Mechanical14 "3" at 129.936,92.888 h1 r90; Mechanical14 "4" at 129.936,94.158 h1 r90